# Allegro board 038RT-9068CJK8E-A100_0921_1.brd (continued)
## Routing (per net, layer and track width the routed paths; a pad name or vN(x,y) marks a point on that pad's centre or on a via; arc(x,y) is an arc through that point) (continued)
SH32_SPICK_DBG: length 12.4
  BOTTOM w0.115: UNK3RH2192.2 397.91,457.44 398.55,456.81 401.09,456.81 404.51,453.39 UNK3RH219.1
SH32_SPICS: length 54.5
  TOP w0.115: UNK3HOST2.24 402.83,442.62 403.31,443.1 403.31,447.78 v2(401.97,449.12) ; UNK3SPIH21.1 429.66,428.69 v2(429.93,428.41)
  L03_SIGNAL w0.145: v2(429.93,428.41) 419.87,438.47 414.57,438.47 407.46,445.58 406.48,445.58 405.7,446.36 404.73,446.36 v2(401.97,449.12)
SH32_SPICS_DBG: length 14.3
  BOTTOM w0.115: UNK3RH2241.1 401.97,453.39 399.82,455.54 395.69,455.54 UNK3RH2243.2
SH32_SPIO2: length 54.5
  TOP w0.115: UNK3RH221.2 UNK3SPIH21.3 ; UNK3HOST2.21 404.03,441.54 405.22,442.72 405.22,444.6 v2(404.51,445.31)
  L03_SIGNAL w0.145: v2(404.51,445.31) 405.46,444.36 405.46,442.64 405.06,442.24 405.06,439.74 406.56,438.24 406.56,436.94 409.22,434.28 422.12,434.28 425.07,431.33 425.07,429.9 427.61,427.36 431.15,427.36 v2(432.2,428.41)
SH32_SPIO3: length 54.5
  TOP w0.115: UNK3SPIH21.7 430.94,455.08 v2(430.93,455.08) ; v2(404.51,444.04) 404.51,442.77 403.63,441.9 UNK3HOST2.22
  L03_SIGNAL w0.145: v2(404.51,444.04) 401.34,447.21 401.34,450.43 407.96,457.06 425.59,457.06 428.69,453.96 430.39,453.96 430.93,454.5 v2(430.93,455.08)
SH32_SPISI: length 54.5
  TOP w0.115: v2(405.78,449.12) 406.49,448.41 406.49,442.47 405.23,441.21 UNK3HOST2.18 ; v2(433.48,450.31) UNK3SPIH21.5
  L03_SIGNAL w0.145: v2(405.78,449.12) 405.78,450.98 409.68,454.88 424.1,454.88 428.35,450.63 428.35,446.73 429.3,445.78 432.76,445.78 433.47,446.48 433.47,450.3 v2(433.48,450.31)
SH32_SPISI_DBG: length 10.5
  BOTTOM w0.115: UNK3RH218.1 405.78,453.39 400.77,458.39 UNK3RH2182.2
SH32_SPISO: length 54.5
  TOP w0.115: UNK3SPIH21.2 430.93,433.12 v2(430.94,433.11) ; UNK3HOST2.23 403.23,442.26 403.88,442.91 403.88,448.48 v2(403.24,449.12)
  L03_SIGNAL w0.145: v2(403.24,449.12) 404.65,447.7 408.95,447.7 415.86,440.79 430.08,440.79 431.1,439.78 431.1,438.3 428.44,435.65 428.44,433.82 429.15,433.11 v2(430.94,433.11)
SH32_SPISO_DBG: length 13.1
  BOTTOM w0.115: UNK3RH223.1 403.24,453.39 400.45,456.17 397.6,456.17 UNK3RH2232.2
SH32_SWR_5TO1_OUT: length 2.7
  TOP w0.3: UNK3HOST2.16 408.89,438.64 v2(408.95,438.71)
  vias: v2(408.95,439.98) v2(410.22,439.98) v2(410.22,438.71)
SH32_TESTENPIN: length 9.8
  TOP w0.115: UNK3HOST2.7 407.73,435.04 408.76,434.01 409.78,434.01 411.68,432.1 v2(412,432.1)
  BOTTOM w0.115: UNK3RH272.2 411.86,431.97 411.36,431.47 411.36,430.41 UNK3RH271.2
SH32_USB_AVDD10: length 33.5
  TOP w0.292: 397.06,438.64 UNK3HOST2.36
  TOP w0.3: UNK3HOST2.50 396.97,433.04 v2(396.75,433.26) ; UNK3HOST2.40 397.1,437.04 v2(396.75,436.69)
  TOP w0.381: 396.79,438.64 397.06,438.64
  TOP w0.508: SH32_USB_AVDD10.1 380.13,455.41 381.88,453.66 381.88,446.81 391.95,436.74 393.97,436.74 v2(394.11,436.87) 394.46,436.87 394.97,437.38 394.97,438.15 395.47,438.64 396.79,438.64
SH32_XTAL_IN: length 6.4
  TOP w0.115: UNK3HOST2.53 399.23,430.9 398.41,430.07 397.46,430.07 v2(396.06,428.68)
  BOTTOM w0.115: v2(396.06,428.68) 396.06,427.88 UNK3YH21.3
SH32_XTAL_OUT: length 9.4
  TOP w0.115: v2(397.09,428.68) 397.86,429.44 398.54,429.44 399.63,430.53 UNK3HOST2.54
  BOTTOM w0.115: v2(397.09,428.68) 397.09,428.41 397.47,428.04 398.36,428.04 398.87,427.53 398.87,427.02 397.83,425.99 UNK3YH21.1
SLOT0.CH0: length 304.8
  L44_SIGNAL w0.105: SLOT0-UP.B27 280.79,383.82 299.46,402.5 547.25,402.5 v2(565.18,420.43)
SLOT0.CH1: length 121
  L21_SIGNAL w0.102: 288.15,324.23 290.43,321.94 290.43,277.75 294.88,273.3 294.88,264.54 293.36,263.02 v1(292.5,263.02)
  L21_SIGNAL w0.105: 288.15,324.23 288.15,372.87 284.48,376.54 SLOT0-UP.A26
SLOT0.CH2: length 131.1
  L21_SIGNAL w0.102: SLOT0-UP.C26 279.82,377.57 284.84,377.57 288.65,373.76 288.65,324.87 292.08,321.44 292.08,289.94 291.58,289.43 291.58,277.62 295.64,273.56 295.64,262.64 294.02,261.02 292.1,261.02 v1(291.7,260.62)
SLOT0.CH3: length 108
  L21_SIGNAL w0.102: 285.72,273.84 v1(285.3,273.42)
  L21_SIGNAL w0.105: 285.72,273.84 286.75,274.87 286.75,321.94 287.26,322.45 287.26,371.73 285.35,373.63 281.69,373.63 SLOT0-UP.B25
  BOTTOM w0.115: UNK2R110.1 v1(285.3,273.42)
SLOT0.CH4: length 273.7
  L07_SIGNAL w0.1: UNK2K56.2 61,373.37 61.1,373.47 61.1,383.79 61,383.89 UNK2K58.3
  L19_SIGNAL w0.1: SLOT0-UP.A24 288.07,372.54 289.18,373.65 289.18,380.6 279.23,390.54 68.33,390.54 66.64,388.85 66.64,381.23 64.52,379.11 62.57,379.11 61.1,380.58 61.1,383.79 61,383.89 UNK2K58.3
SLOT0.CH5: length 278.7
  L07_SIGNAL w0.1: UNK2K56.7 61.57,373.37 61.47,373.47 61.47,383.79 61.57,383.89 UNK2K58.6
  L19_SIGNAL w0.1: SLOT0-UP.C24 279.47,371.86 283.32,371.86 283.7,372.24 288.27,372.24 289.54,373.51 289.54,380.75 279.38,390.91 68.18,390.91 66.28,389 66.28,381.38 64.37,379.48 62.72,379.48 61.47,380.73 61.47,383.79 61.57,383.89 UNK2K58.6
SLOT0.CH6: length 517.3
  L44_SIGNAL w0.105: v1(152.86,224.93) 151.75,226.04 151.75,241.75 148.94,244.56 133.17,244.56 131.91,245.82 118.55,245.82 117.08,244.34 89.66,244.34 82.81,251.19 82.81,277.22 84.19,278.59 84.19,281.04 83.39,281.83 83.39,352 92.44,361.04 119.17,361.04 154.31,396.18 226.85,396.18 244.99,378.04 244.99,327.37 247.2,325.16 258.21,325.16 259.98,326.92 259.98,367.14 264.57,371.74 272.77,371.74 273.73,370.78 275.53,370.78 276.3,371.54 279.79,371.54 SLOT0-UP.B23
  BOTTOM w0.115: v1(152.86,224.93) 152.86,226.43 154.03,227.6 R327.1
SLOT0.CH7: length 514.2
  L44_SIGNAL w0.105: v1(152.86,223.4) 153.91,224.45 153.91,228.98 154.67,229.74 154.67,246.35 152.72,248.3 120.07,248.3 116.69,244.93 89.56,244.93 84.1,250.39 84.1,255.74 83.4,256.45 83.4,276.97 85.24,278.81 85.24,305.01 88.44,308.21 88.44,345.49 100.22,357.28 120.13,357.28 150.73,387.88 232.88,387.88 244.09,376.67 244.09,326.87 247.11,323.84 259.04,323.84 260.51,325.32 260.51,367.05 263.31,369.85 272.82,369.85 273.76,368.91 275.18,368.91 275.76,369.5 281.83,369.5 SLOT0-UP.A22
  BOTTOM w0.115: v1(152.86,223.4) 152.86,221.27 153.4,220.72 R328.1
SLOT0.CH8: length 602
  L44_SIGNAL w0.105: v1(223.73,221.11) 217.54,221.11 210.79,214.36 198.24,214.36 197.27,215.32 197.27,219.99 198.43,221.14 212.07,221.14 214.09,223.16 214.09,242.94 207.77,249.27 119.94,249.27 112.39,256.81 85.23,256.81 83.87,258.17 83.87,276.21 85.77,278.11 85.77,287.44 86.94,288.61 86.94,293.79 87.87,294.72 87.87,305.08 89.42,306.63 89.42,343.75 101.37,355.7 122.44,355.7 151.45,384.72 234.15,384.72 241.83,377.04 241.83,327.31 246.85,322.28 258.61,322.28 261.31,324.99 261.31,366.19 262.9,367.78 272.66,367.78 273.57,366.87 275.39,366.87 276.14,367.62 277.86,367.62 SLOT0-UP.C22
SLOT0.CH9: length 603.8
  L44_SIGNAL w0.102: 84.52,273.84 84.52,258.6
  L44_SIGNAL w0.105: SLOT0-UP.B21 279.75,365.51 275.95,365.51 275.28,364.84 273.6,364.84 272.61,365.83 271.91,365.83 271.27,365.18 264.4,365.18 262.41,363.19 262.41,324.14 258.66,320.39 245.59,320.39 237.98,328 237.98,378.2 233.79,382.39 152.79,382.39 125.09,354.69 101.81,354.69 90.33,343.2 90.33,305.84 89.34,304.86 89.34,288.81 86.49,285.96 86.49,280.71 86.94,280.25 86.94,278.3 84.52,275.88 84.52,273.84 ; v1(223.73,210.11) 205.21,210.11 204.98,210.33 204.98,212.27 205.37,212.66 217.07,212.66 224.52,220.11 224.52,224.88 217.53,231.87 217.53,248.16 212.87,252.82 117.53,252.82 113,257.36 85.74,257.36 84.52,258.58 84.52,258.6
SLOT0.CH10: length 302.2
  L07_SIGNAL w0.1: UNK2K54.3 53.96,383.89 54.06,383.79 54.06,373.47 53.96,373.37 UNK2K52.2
  L19_SIGNAL w0.1: 290.56,369.82 284.95,364.22 283.11,364.22 SLOT0-UP.A20 ; 67.55,401.83 57.9,392.18 57.9,380.11 57.41,379.62 54.82,379.62 54.06,380.39 54.06,383.79 53.96,383.89 UNK2K54.3
  L19_SIGNAL w0.105: 290.56,369.82 290.56,382.71 271.44,401.83 67.55,401.83
SLOT0.CH11: length 307
  L07_SIGNAL w0.1: UNK2K52.7 54.52,373.37 54.42,373.47 54.42,383.79 54.52,383.89 UNK2K54.6
  L19_SIGNAL w0.1: 67.4,402.19 57.53,392.33 57.53,380.26 57.26,379.98 54.97,379.98 54.42,380.54 54.42,383.79 54.52,383.89 UNK2K54.6 ; 290.92,369.67 285.1,363.86 279.47,363.86 SLOT0-UP.C20
  L19_SIGNAL w0.105: 67.4,402.19 271.59,402.19 290.92,382.86 290.92,369.67
SLOT0.CH12: length 231.3
  L19_SIGNAL w0.1: UNK2K240.2 139.84,430.7 139.74,430.8 139.74,436.95 139.3,437.39 136.64,437.39 136,436.75 136,418.47 151.24,403.23 ; 292.36,367.94 286.37,361.95 283.32,361.95 282.81,361.44 281.88,361.44 SLOT0-UP.B19
  L19_SIGNAL w0.105: 292.36,367.94 292.36,383.75 272.88,403.23 151.24,403.23
SLOT0.CH13: length 228.5
  L19_SIGNAL w0.1: UNK2K240.7 139.28,430.7 139.38,430.8 139.38,436.8 139.15,437.02 136.79,437.02 136.36,436.6 136.36,418.62 151.39,403.59 ; SLOT0-UP.A18 283.83,361.58 283.83,361.59 286.52,361.59 292.72,367.79
  L19_SIGNAL w0.105: 151.39,403.59 273.03,403.59 292.72,383.9 292.72,367.79
SLOT0.CH14: length 232.4
  L19_SIGNAL w0.1: UNK2K242.2 146.19,430.7 146.09,430.8 146.09,435.81 144.76,437.13 143.11,437.13 142.48,436.5 142.48,416.94 154.54,404.88 ; 294.25,366.53 287.38,359.66 279.66,359.66 SLOT0-UP.C18
  L19_SIGNAL w0.105: 154.54,404.88 274.13,404.88 294.25,384.75 294.25,366.53
SLOT0.CH15: length 229.8
  L19_SIGNAL w0.1: SLOT0-UP.B17 281.53,359.28 287.52,359.28 294.61,366.38 ; UNK2K242.7 145.63,430.7 145.73,430.8 145.73,435.66 144.61,436.77 143.26,436.77 142.84,436.35 142.84,417.09 154.69,405.24
  L19_SIGNAL w0.105: 294.61,366.38 294.61,384.9 274.28,405.24 154.69,405.24
SLOT0.CH16: length 219.5
  L19_SIGNAL w0.1: SLOT0-UP.A16 283.2,356.13 287.15,356.13 296.26,365.23 ; UNK2K241.2 153.25,431.9 153.35,432 153.35,432.87 152.89,433.32 150.61,433.32 150.22,432.94 150.22,416.05 159.37,406.91
  L19_SIGNAL w0.105: 296.26,365.23 296.26,386.17 275.53,406.91 159.37,406.91
SLOT0.CH17: length 224.6
  L19_SIGNAL w0.1: SLOT0-UP.C16 279.62,357.38 283.07,357.38 283.96,356.49 287,356.49 295.9,365.39 ; UNK2K241.7 153.81,431.9 153.71,432 153.71,433.02 153.04,433.69 150.46,433.69 149.86,433.09 149.86,415.9 159.22,406.54
  L19_SIGNAL w0.105: 295.9,365.39 295.9,386.02 275.38,406.54 159.22,406.54
SLOT0.CH18: length 212.8
  L19_SIGNAL w0.1: SLOT0-UP.B15 281.63,353.69 283.19,353.69 283.7,354.2 287.64,354.2 297.7,364.27 ; 165.7,408.32 159.7,414.32 159.7,431.8 159.6,431.9 UNK2K243.2
  L19_SIGNAL w0.105: 165.7,408.32 276.57,408.32 297.7,387.19 297.7,364.27
SLOT0.CH19: length 211.3
  L19_SIGNAL w0.1: SLOT0-UP.A14 284.08,353.84 287.79,353.84 298.07,364.12 ; UNK2K243.7 160.16,431.9 160.06,431.8 160.06,414.47 165.85,408.69
  L19_SIGNAL w0.105: 165.85,408.69 276.72,408.69 298.07,387.34 298.07,364.12
SLOT0.CH20: length 81.2
  L21_SIGNAL w0.105: SLOT0-UP.C14 279.56,353.31 283.32,353.31 284.46,352.17 284.46,324.65 281.67,321.85 281.67,279.82 v1(280.88,279.03)
  BOTTOM w0.115: v1(280.88,279.03) UNK2RR935.2
SLOT0.CH21: length 73.1
  L21_SIGNAL w0.105: SLOT0-UP.B13 281.52,351.28 283.2,351.28 283.66,350.81 283.66,325.82 280.27,322.43 280.27,283.44 v1(280.88,282.84)
  BOTTOM w0.115: v1(280.88,282.84) UNK2RR532.2
SLOT0.CH22: length 383.7
  L34_SIGNAL w0.105: SLOT0-UP.A12 282.05,349.28 282.05,350.9 281.29,351.66 276.21,351.66 274.94,352.93 273.41,352.93 272.53,353.82 271.13,353.82 269.6,355.35 269.6,377.23 272.62,380.24 320.75,380.24 326.88,374.11 326.88,329.06 332.22,323.72 332.22,264.41 337.3,259.33 345.42,259.33 348.47,256.29 348.47,246.89 358.47,236.89 429.53,236.89 432.67,233.75 432.67,219.07 434.2,217.55 438.9,217.55 439.62,216.82 439.62,200.44 437.12,197.94 433.69,197.94 432.67,198.95 432.67,201.9 v1(430.59,203.99)
SLOT0.CH23: length 325.6
  L32_SIGNAL w0.105: SLOT0-UP.C12 277.7,349.63 275.95,349.63 274.81,350.77 273.8,350.77 272.78,349.76 271.51,349.76 269.6,351.66 269.6,371.59 271.91,373.9 272.55,373.9 273.62,372.83 274.88,372.83 275.7,373.64 412.03,373.64 412.84,372.83 414.6,372.83 415.32,373.55 422.75,373.55 429.42,366.88 429.42,301.68 442.71,288.4 442.71,275.97 440.67,273.94 440.67,261.49 436.8,257.62 432.54,257.62 431.47,258.69 431.47,259.25 429.62,261.09 429.62,263.02 v1(430.59,263.99)
SLOT0.CH24: length 160.2
  L34_SIGNAL w0.105: v1(310.59,203.99) 311.39,204.79 311.39,215.72 311.01,216.1 311.01,218.13 311.39,218.51 311.39,224.54 297.16,238.76 297.16,250.57 296.15,251.59 296.15,270.26 295,271.4 295,283.85 296.53,285.37 296.53,287.27 295,288.8 295,336.3 283.83,347.47 281.72,347.47 SLOT0-UP.B11
SLOT0.CH25: length 93
  L32_SIGNAL w0.105: SLOT0-UP.A10 287.89,339.43 287.89,320.68 311.39,297.18 311.39,278.51 311.01,278.13 311.01,276.1 311.39,275.72 311.39,264.79 v1(310.59,263.99)
SLOT0.CH26: length 99.1
  L19_SIGNAL w0.1: SLOT0-UP.C10 279.54,343.79 285.61,343.79 318.74,310.67 318.74,284.65 327.54,275.85 330.96,275.85 331.1,275.85 331.2,275.95 v1(331.21,276.63)
  BOTTOM w0.115: v1(331.21,276.63) 330.56,275.98 MUX3.6
SLOT0.CH27: length 97.1
  L19_SIGNAL w0.1: SLOT0-UP.B9 281.65,343.41 285.48,343.41 318.37,310.51 318.37,284.5 327.39,275.49 330.96,275.49 331.1,275.48
  L19_SIGNAL w0.105: v1(331.21,274.68) 331.21,275.13 331.21,275.38 331.1,275.48
  BOTTOM w0.115: v1(331.21,274.68) 330.56,275.33 MUX3.7
SLOT0.CH28: length 115.5
  L19_SIGNAL w0.1: SLOT0-UP.A8 283.22,340.98 284.86,340.98 315.96,309.88 315.96,281.18 322.94,274.19 322.94,269.37 322.44,268.86 322.44,257.18 326.64,252.98 331.06,252.98 331.16,253.08 v1(331.16,253.77)
  BOTTOM w0.115: MUX8.6 330.51,253.12 v1(331.16,253.77)
SLOT0.CH29: length 119.8
  L19_SIGNAL w0.1: v1(331.16,251.82) 331.16,252.51 331.06,252.61 326.48,252.61 322.07,257.02 322.07,269.01 322.58,269.52 322.58,274.04 315.6,281.03 315.6,309.73 284.97,340.36 283.57,340.36 282.94,339.73 279.6,339.73 SLOT0-UP.C8
  BOTTOM w0.115: v1(331.16,251.82) 330.51,252.47 MUX8.7
SLOT0.CH30: length 125.5
  L19_SIGNAL w0.1: SLOT0-UP.B7 281.76,337.57 285.36,337.57 313.29,309.63 313.29,281.31 321.17,273.43 321.17,247.14 326.76,241.55 331.06,241.55 331.16,241.65 v1(331.16,242.34)
  BOTTOM w0.115: v1(331.16,242.34) 330.51,241.69 MUX4.6
SLOT0.CH31: length 123.4
  L19_SIGNAL w0.1: v1(331.16,240.39) 331.16,241.08 331.06,241.18 326.61,241.18 320.8,246.99 320.8,273.28 312.93,281.15 312.93,309.48 285.21,337.2 283.45,337.2 SLOT0-UP.A6
  BOTTOM w0.115: v1(331.16,240.39) 330.51,241.04 MUX4.7
SLOT0.CH32: length 616.8
  L44_SIGNAL w0.105: v2(583.42,234.33) 584.06,233.69 584.06,231.65 586.22,229.49 586.22,225.9 589.52,222.6 589.52,185.96 587.46,183.9 582.63,183.9 568.02,169.29 455.56,169.29 429.37,143.1 429.37,113.58 423.49,107.7 415.58,107.7 414.79,106.92 413.18,106.92 412.26,105.99 411.18,105.99 409.95,104.77 409.95,100.48 410.59,99.85 412.15,99.85 412.97,99.02 413.7,99.02 414.56,98.17 414.56,88.64 406.63,80.72 342.64,80.72 341.22,82.13 341.22,84.75 342.36,85.89 393.08,85.89 396.96,89.77 396.96,141.91 389.05,149.82 297.09,149.82 284.95,137.68 281.72,137.68 SLOT0-DOWN.B24
  BOTTOM w0.115: UNK1R347.2 v2(583.42,234.33)
SLOT0.CH33: length 482.8
  L44_SIGNAL w0.105: SLOT0-DOWN.A23 288.69,130.71 288.69,91.69 302.15,78.23 407.1,78.23 415.24,86.37 415.24,99.46 413.88,100.82 413.39,100.82 412.58,101.63 412.58,104.35 413.13,104.9 414.48,104.9 415.22,105.65 423.47,105.65 431.15,113.33 431.15,143.17 456.25,168.28 567.55,168.28 582.79,183.51 587.61,183.51 589.9,185.8 589.9,222.76 586.6,226.06 586.6,230 585.33,231.27 585.33,233.69 v2(584.69,234.33)
  BOTTOM w0.115: UNK1R348.2 v2(584.69,234.33)
SLOT0.CH34: length 120.2
  L21_SIGNAL w0.105: v1(274.78,219.03) 274.78,216.91 277.2,214.49 293.98,214.49 296.43,212.04 296.43,200.22 307.41,189.23 307.41,173.34 286.17,152.1 286.17,139.87 283.89,137.59 279.77,137.59 SLOT0-DOWN.C23
  BOTTOM w0.115: v1(274.78,219.03) RR535.2
SLOT0.CH35: length 119
  L21_SIGNAL w0.105: SLOT0-DOWN.B22 281.82,135.65 284.93,135.65 287.69,138.4 287.69,152.9 307.91,173.12 307.91,189.38 296.87,200.42 296.87,212.31 293.57,215.61 279.04,215.61 276.81,217.83 v1(276.81,219.03)
  BOTTOM w0.115: v1(276.81,219.03) RR531.2
SLOT0.CH36: length 116.5
  L21_SIGNAL w0.105: SLOT0-DOWN.A21 285.11,132.61 289.1,136.6 289.1,152.96 308.86,172.73 308.86,189.82 301.3,197.38 301.3,209.24 293.98,216.56 283.34,216.56 v1(280.88,219.03)
  BOTTOM w0.115: v1(280.88,219.03) RR935.2
SLOT0.CH37: length 121.6
  L21_SIGNAL w0.105: v1(282.91,219.03) 284.89,217.04 294.18,217.04 301.79,209.44 301.79,197.58 309.34,190.02 309.34,172.53 289.81,152.99 289.81,134.79 286.66,131.64 279.76,131.64 SLOT0-DOWN.C21
  BOTTOM w0.115: v1(282.91,219.03) RR932.2
SLOT0.CH38: length 420.6
  L34_SIGNAL w0.105: UNK3K181.5 504.37,271.4 503.41,271.4 502.52,270.51 502.52,259.46 503.92,258.06 503.92,234.06 502.52,232.66 502.52,214.24 487.85,199.56 487.85,167.99 477.57,157.71 477.57,96 472.8,91.23 295.88,91.23 288.65,98.46 288.65,124.46 283.45,129.67 281.73,129.67 SLOT0-DOWN.B20
SLOT0.CH39: length 394.2
  L32_SIGNAL w0.105: SLOT0-DOWN.A19 285.99,125.41 285.99,101.95 297.1,90.83 498.79,90.83 511.29,103.32 511.29,200.03 503.67,207.65 503.67,213.87 502.52,215.01 502.52,226.57 503.28,227.33 504.42,227.33 UNK1K181.5
SLOT0.CH40: length 218
  L34_SIGNAL w0.105: UNK2K181.5 179.69,259 179.69,175.64 192.01,163.32 249.92,163.32 264.27,148.97 264.27,137.29 270.49,131.06 270.49,128.91 271.51,127.89 272.65,127.89 273.67,128.91 275.57,128.91 276.21,129.54 277.86,129.54 SLOT0-DOWN.C19
SLOT0.CH41: length 175.4
  L32_SIGNAL w0.105: SLOT0-DOWN.B18 279.76,127.64 276.34,127.64 275.19,128.78 273.54,128.78 272.78,128.02 271.38,128.02 269.1,130.3 269.1,151.89 267.45,153.54 205.09,153.54 184.64,173.99 184.64,217.54 K181.5
SLOT0.CH42: length 127.8
  L21_SIGNAL w0.105: SLOT0-DOWN.A17 288.97,124.61 291.61,127.25 291.61,152.53 310.95,171.86 310.95,190.68 303.31,198.31 303.31,210.24 290.71,222.84 v1(284.94,222.84)
  BOTTOM w0.115: v1(284.94,222.84) RR931.2
SLOT0.CH43: length 136.8
  L21_SIGNAL w0.105: v1(276.81,222.84) 277.42,222.23 290.46,222.23 302.71,209.98 302.71,198.06 310.34,190.43 310.34,172.11 290.89,152.66 290.89,130.23 286.19,125.53 279.7,125.53 SLOT0-DOWN.C17
  BOTTOM w0.115: v1(276.81,222.84) RR933.2
SLOT0.CH44: length 136.7
  L21_SIGNAL w0.105: v1(282.91,222.84) 283.43,223.35 290.93,223.35 305.37,208.91 305.37,196.99 311.46,190.89 311.46,171.64 292.2,152.38 292.2,124.18 289.91,121.89 281.5,121.89 SLOT0-DOWN.B16
  BOTTOM w0.115: v1(282.91,222.84) RR934.2
SLOT0.CH45: length 147.3
  L21_SIGNAL w0.105: v1(278.85,222.84) 279.83,223.82 279.83,224.76 280.51,225.45 294.97,225.45 308.02,212.39 308.02,195.64 312.4,191.27 312.4,171.29 293.33,152.22 293.33,122.48 291.46,120.61 SLOT0-DOWN.A15
  BOTTOM w0.115: v1(278.85,222.84) RR530.2
SLOT0.CH46: length 104.1
  L21_SIGNAL w0.105: v1(313.76,201.45) 313.17,200.85 313.17,171.31 293.81,151.96 293.81,121.97 291.54,119.7 279.7,119.7 SLOT0-DOWN.C15
SLOT0.CH47: length 106.3
  L21_SIGNAL w0.105: SLOT0-DOWN.B14 281.49,117.91 290.65,117.91 294.33,121.59 294.33,151.76 313.67,171.1 313.67,195.45 314.31,196.09 314.31,203.44 v1(313.76,203.99)
SLOT0.CH48: length 117.8
  L21_SIGNAL w0.105: SLOT0-DOWN.A13 291.26,116.61 295.41,120.76 295.41,151.24 317.99,173.82 317.99,206.25 316.72,207.52 312.14,207.52 v1(310.59,209.07)
SLOT0.CH49: length 123.1
  L21_SIGNAL w0.105: SLOT0-DOWN.C13 279.79,115.61 291.23,115.61 295.94,120.32 295.94,151.05 320.91,176.02 320.91,204.6 317.48,208.03 314.8,208.03 v1(313.76,209.07)
SLOT0.CH50: length 120.5
  L21_SIGNAL w0.105: v1(316.94,209.07) 321.93,204.08 321.93,176.25 296.58,150.9 296.58,119.95 290.24,113.61 281.78,113.61 SLOT0-DOWN.B12
SLOT0.CH51: length 130.3
  L21_SIGNAL w0.105: K11.3 251.95,199.77 249.22,197.04 249.22,185.92 264.37,170.76 264.37,115.84 268.4,111.81 272.69,111.81 273.61,110.9 275.24,110.9 275.89,111.54 281.72,111.54 SLOT0-DOWN.A11
SLOT0.CH53: length 138.8
  L21_SIGNAL w0.105: 251.95,222.63 250.68,221.36 250.68,214.5 246.74,210.57 246.74,198.63 248.78,196.6 248.78,184.49 264,169.27 264,111.65 265.95,109.7 272.83,109.7 273.5,109.03 275.71,109.03 276.3,109.61 279.79,109.61 SLOT0-DOWN.B10
SLOT0.CH54: length 391.7
  L34_SIGNAL w0.105: UNK3K183.4 507.09,262.45 507.09,213.71 488.86,195.47 488.86,166.15 479.05,156.34 479.05,95.89 473.24,90.09 291.94,90.09 285.1,96.93 285.1,106.3 SLOT0-DOWN.A9
SLOT0.CH55: length 370.6
  L32_SIGNAL w0.105: UNK1K183.4 507.09,218.33 507.09,207.9 513.44,201.55 513.44,102.74 500.45,89.74 296.09,89.74 283.96,101.88 283.96,106.55 282.69,107.82 279.57,107.82 SLOT0-DOWN.C9
SLOT0.CH56: length 259.8
  L34_SIGNAL w0.105: UNK2K183.4 181.31,272.9 178.42,270 178.42,239.65 176.51,237.74 176.51,170.31 190.1,156.72 252.59,156.72 261.98,147.32 261.98,112.27 265.41,108.84 270.75,108.84 271.76,107.82 272.53,107.82 273.67,108.97 274.68,108.97 276.08,107.57 279.83,107.57 SLOT0-DOWN.B8
SLOT0.CH57: length 212.7
  L32_SIGNAL w0.105: K183.4 183.29,228.77 180.83,226.31 180.83,172.85 204.2,149.48 264.02,149.48 266.43,147.07 266.43,110.36 270.87,105.92 272.91,105.92 273.67,106.68 275.32,106.68 276.34,105.66 281.73,105.66 SLOT0-DOWN.A7
SLOT0.CH58: length 145.5
  L21_SIGNAL w0.105: SLOT0-DOWN.C7 277.72,105.68 276.17,105.68 275.41,104.91 273.47,104.91 272.61,105.77 264.08,105.77 262.29,107.56 262.29,168.29 251.04,179.54 245.83,179.54 239.25,186.12 239.25,192.19 231.45,199.99 227.36,199.99 225.92,201.43 225.92,203.94 224.53,205.32 224.53,210.68 223.73,211.48 v1(223.73,213.31)
SLOT0.CH59: length 144.5
  L21_SIGNAL w0.105: v1(223.73,206.2) 223.73,204.58 224.52,203.8 224.52,200.38 225.57,199.33 230.86,199.33 238.74,191.44 238.74,182.19 242.16,178.78 250.72,178.78 261.78,167.72 261.78,106.85 264.83,103.8 272.97,103.8 273.76,103.01 275.51,103.01 276.15,103.64 279.75,103.64 SLOT0-DOWN.B6
SLOT0.CH60: length 211.1
  L21_SIGNAL w0.105: K9.5 196.2,238.81 196.2,195.45 216.46,175.18 249.58,175.18 259.8,164.96 259.8,103.5 263.5,99.81 272.68,99.81 273.35,99.14 275.76,99.14 276.27,99.64 281.82,99.64 SLOT0-DOWN.A5
  BOTTOM w0.115: CD176.1 K9.5
SLOT0.CH61: length 207.8
  L21_SIGNAL w0.105: K10.8 196.83,233.96 196.83,196.16 217.05,175.95 249.95,175.95 260.33,165.56 260.33,105.12 264.86,100.6 270.7,100.6 271.62,101.52 273,101.52 273.86,100.66 274.85,100.66 275.79,101.6 277.8,101.6 SLOT0-DOWN.C5
  BOTTOM w0.115: UNK2CD177.1 K10.8
SLOT0.CH62: length 210.7
  L21_SIGNAL w0.105: K183.5 185.4,230.72 185.4,202.26 201.16,186.5 201.16,177.05 204.95,173.27 248.03,173.27 258.7,162.6 258.7,102.23 262.92,98.01 272.79,98.01 273.33,98.54 275.22,98.54 276.09,97.66 279.84,97.66 SLOT0-DOWN.B4
SLOT0.CH63: length 141.8
  L21_SIGNAL w0.105: SLOT0-DOWN.A3 286.28,96.61 297.08,107.4 297.08,150.56 323.58,177.06 323.58,191.01 324.98,192.41 324.98,196.85 323.45,198.37 323.45,204.22 317.74,209.93 314.18,209.93 K34.7
SLOT0.CH64: length 298
  L44_SIGNAL w0.105: UNK3K7.10 537.19,439.99 537.19,435.36 526.4,424.56 526.4,419.84 510.84,404.28 298.73,404.28 276.79,382.34 SLOT0-UP.D27
SLOT0.CH65: length 172.4
  L21_SIGNAL w0.102: 284.1,258.6 284.1,258.6 284.1,261.82 v1(283.7,262.22)
  L21_SIGNAL w0.105: 284.1,258.6 284.1,257.16 285.92,255.34 297.49,255.34 303.39,261.24 303.39,276.48 297.8,282.07 297.8,288.42 299.58,290.19 299.58,319.53 292.85,326.26 292.85,375.41 286.24,382.02 275.54,382.02 SLOT0-UP.F27
SLOT0.CH66: length 164.3
  L21_SIGNAL w0.102: SLOT0-UP.E25 274.94,376.68 274.94,378.71 276.59,380.37 285.35,380.37 290.69,375.03 290.69,325.88 297.04,319.53 297.04,290.58 296.02,289.56 296.02,277.11 301.35,271.78 301.35,262.89 295.4,256.94 286.61,256.94 285.7,257.85 285.7,258.33 285.7,258.33 285.7,262.62 v1(284.5,263.82)
SLOT0.CH67: length 120.8
  L21_SIGNAL w0.102: v1(291.7,268.62) 292.06,268.99 293.23,268.99 293.99,269.75 293.99,273.18 287.77,279.4 287.77,372.36 284.46,375.67 277.91,375.67 SLOT0-UP.D25
SLOT0.CH68: length 170.9
  L21_SIGNAL w0.102: 284.9,258.6 284.9,258.6 284.9,261.82 v1(284.5,262.22)
  L21_SIGNAL w0.105: 284.9,258.6 284.9,257.51 286.26,256.14 297.4,256.14 302.12,260.86 302.12,272.54 296.78,277.88 296.78,289.31 298.56,291.08 298.56,319.15 291.58,326.14 291.58,375.39 285.72,381.25 276.21,381.25 273.29,378.33 273.29,375.76 SLOT0-UP.F25
SLOT0.CH69: length 162
  L21_SIGNAL w0.102: v1(283.7,264.62) 284.1,265.02 286.33,265.02 286.5,264.85 286.5,258.33
  L21_SIGNAL w0.105: SLOT0-UP.E23 275.57,373.32 275.57,378.46 276.59,379.48 284.98,379.48 289.8,374.66 289.8,325.5 293.8,321.5 293.8,277.69 296.66,274.83 296.66,260.73 293.66,257.74 286.95,257.74 286.5,258.19 286.5,258.33
SLOT0.CH70: length 306.9
  L34_SIGNAL w0.105: SLOT0-UP.D23 277.73,371.49 277.73,373.13 278.11,373.51 318.6,373.51 323.33,368.78 323.33,326.77 329.17,320.93 329.17,258.06 329.55,257.68 329.55,250.32 345.17,234.7 393.05,234.7 411.46,216.28 437.63,216.28 438.42,215.49 438.42,209.52 436.74,207.84 435.08,207.84 v1(433.76,206.53)
SLOT0.CH71: length 267.1
  L32_SIGNAL w0.105: SLOT0-UP.F23 275.45,370.77 276.18,371.49 412.49,371.49 413.13,370.85 414.6,370.85 415.46,371.7 422.85,371.7 427.85,366.7 427.85,300.27 438.13,289.98 438.13,277.5 439.78,275.84 439.78,270.89 436.74,267.84 435.08,267.84 v1(433.76,266.53)
SLOT0.CH72: length 190.4
  L34_SIGNAL w0.105: v1(313.76,206.53) 314.44,207.2 314.44,209.37 315.71,210.64 315.71,223.9 307.07,232.54 307.07,250.95 302.24,255.78 302.24,278 298.81,281.43 298.81,359.41 288.65,369.57 275.83,369.57 SLOT0-UP.E21
SLOT0.CH73: length 122.5
  L32_SIGNAL w0.105: SLOT0-UP.D21 277.66,367.41 284.21,367.41 293.86,357.76 293.86,323.22 315.71,301.37 315.71,270.64 314.44,269.37 314.44,267.2 v2(313.76,266.53)
SLOT0.CH74: length 127.8
  L21_SIGNAL w0.102: 276.81,265.82 283.3,265.82 v1(283.7,265.42)
  L21_SIGNAL w0.105: 276.81,265.82 275.71,265.82 274.43,264.54 265.03,264.54 262.37,267.21 262.37,287.91 264.91,290.45 264.91,361.06 270.61,366.77 SLOT0-UP.F21
